# KiCad board coleco_original_main_only.kicad_pcb (continued)
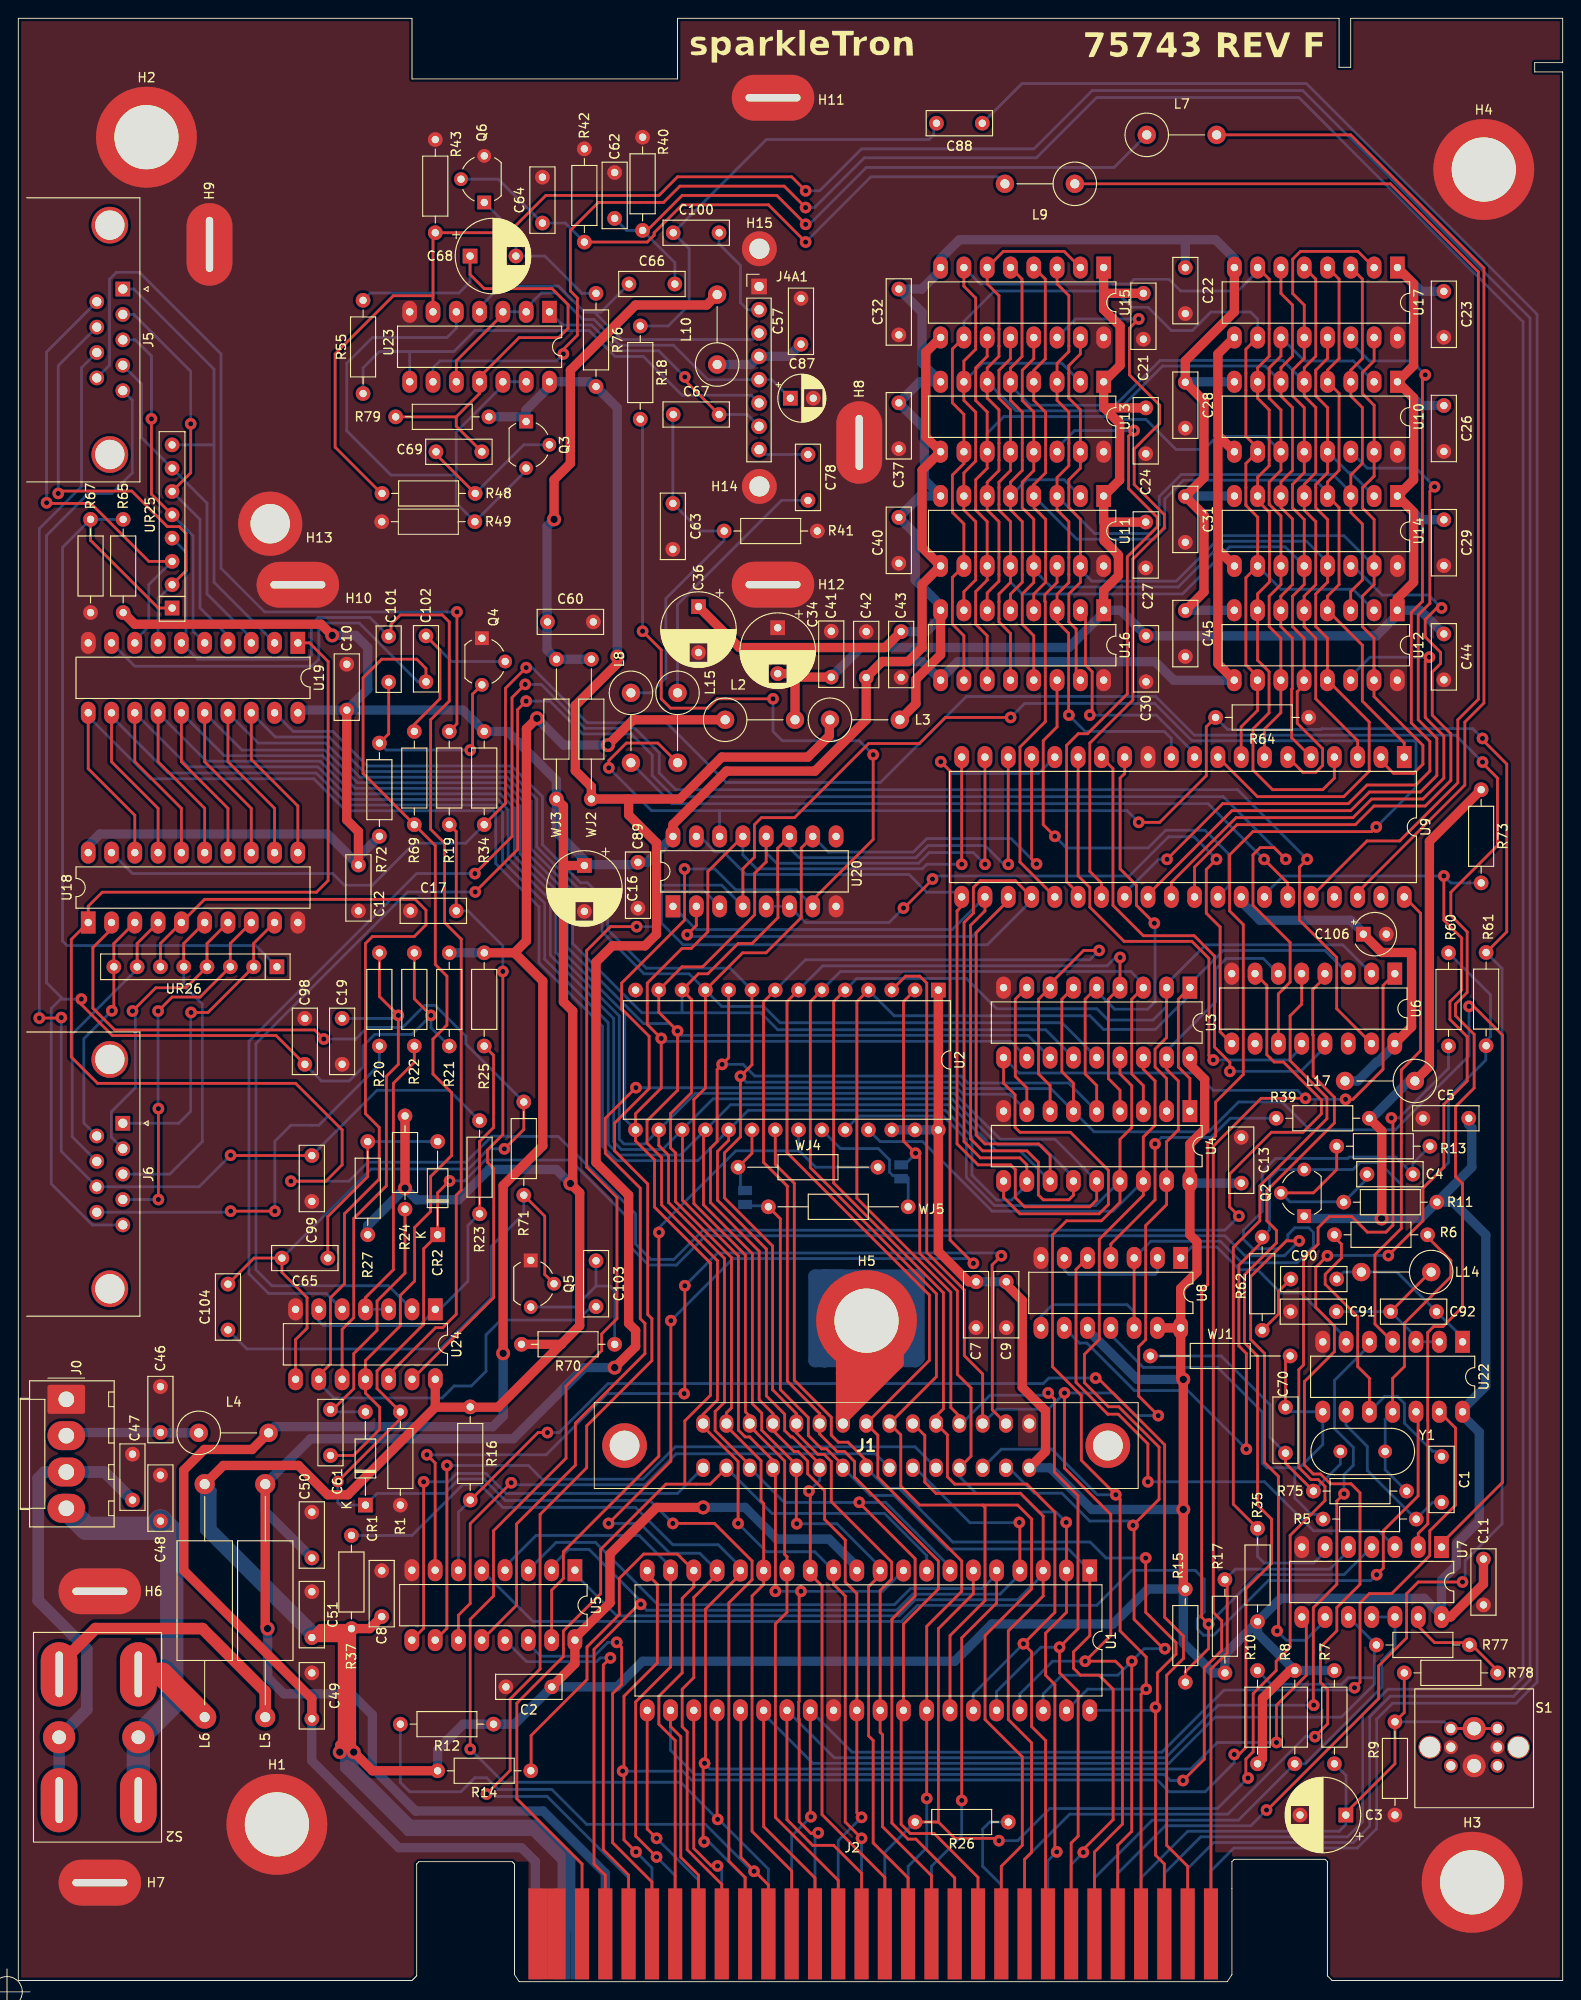
[diagram p0: board, top side]
## Routing (per net, layer and track width the routed paths; a pad name or vN(x,y) marks a point on that pad's centre or on a via; arc(x,y) is an arc through that point) (continued)
  Bottom w0.305: U10.13 145.06,164.46 145.31,164.46 U14.2 ; U14.13 142.76,154.71 140.48,157 131.47,157 126.49,152.02 112.62,152.02 110.73,153.91 U11.13
/video/AD2: length 144.9
  Top w0.305: U16.10 103.11,146.7 101.85,147.96 101.85,150.4 101.85,150.4 101.85,153.06 U11.10 103.11,158.89 101.85,160.15 101.85,161.01 101.85,161.01 101.85,162.85 101.85,162.85 101.85,164.21 103.11,165.47 U13.10 103.11,170.83 101.85,172.09 101.85,177.95 U15.10 ; U9.8 133.34,136.77 135.13,138.56 U12.10 135.13,142.26 133.86,143.53 133.86,153.02 U14.10 135.14,159.62 133.86,160.91 133.86,161.01 133.86,161.01 133.86,162.85 133.86,162.85 133.86,165.48 U10.10 135.14,167.16 133.86,168.45 133.86,173.46 133.86,173.46 133.86,175.3 133.86,175.3 133.86,177.93 U17.10
  Bottom w0.305: U17.10 135.14,181.21 134.37,181.99 130.05,181.99 128.02,179.96 125.73,179.96 123.19,182.5 121.41,182.5 119.63,184.28 106.43,184.28 103.11,180.96 U15.10 ; U14.10 137.69,151.76 145.54,151.76 U12.2
/video/AD3: length 139.9
  Top w0.305: U15.11 105.65,177.15 104.39,175.89 104.39,172.34 105.65,171.08 U13.11 105.65,164.96 104.39,163.7 104.39,162.85 104.39,162.85 104.39,160.4 105.65,159.15 U11.11 105.65,152.77 104.39,151.51 104.39,150.4 104.39,150.4 104.39,147.96 105.65,146.7 U16.11 ; U9.7 135.88,136.52 137.67,138.3 U12.11 137.67,146.43 136.4,147.7 136.4,151 137.68,152.29 137.68,159.75 136.4,161.03 136.4,163.45 137.68,164.73 137.68,171.31 136.4,172.59 136.4,173.46 136.4,173.46 136.4,175.3 136.4,175.3 136.4,175.89 137.68,177.18 137.68,179.21
  Bottom w0.305: U10.2 145.57,176.66 140.24,176.66 137.68,179.21 ; U13.11 105.65,168.77 107.48,170.59 120.31,170.59 120.62,170.28 122.96,170.28 126.24,167 129.29,167 130.7,168.42 136.03,168.42 137.68,166.76
/video/AD4: length 152.9
  Top w0.305: U16.12 108.19,146.95 106.93,148.21 106.93,148.56 106.93,148.56 106.93,150.4 106.93,150.4 106.93,151.26 108.19,152.51 U11.12 108.19,159.15 106.93,160.4 106.93,161.01 106.93,161.01 106.93,162.85 106.93,162.85 106.93,163.45 108.19,164.7 U13.12 108.19,171.34 106.93,172.6 106.93,175.64 108.19,176.9 U15.12 ; U9.6 140.08,131.82 141.49,131.82 142.22,132.56 142.22,134.4 139.46,137.16 139.46,140.61 140.21,141.36 U12.12 140.21,146.43 138.94,147.7 138.94,151 140.22,152.29 U14.12 140.22,159.37 138.94,160.65 138.94,161.01 138.94,161.01 138.94,162.85 138.94,162.85 138.94,163.19 140.22,164.48 U10.12 140.22,171.56 138.94,172.85 138.94,173.46 138.94,173.46 138.94,175.3 138.94,175.3 138.94,175.64 140.22,176.93 U17.12 140.22,182.74 138.97,184 138.97,187.75 139.81,188.59 146.08,188.59 U17.2
  Bottom w0.305: U14.12 138.14,156.39 132.08,156.39 126.94,151.26 109.47,151.26 108.19,152.54 U11.12
/video/AD5: length 146.2
  Top w0.305: 137.68,186.83 137.68,184.01 138.94,182.75 138.94,180.13 138.94,180.13 138.94,177.17 137.68,175.91 137.68,172.83 138.94,171.57 138.94,164.72 137.68,163.46 137.68,160.69 138.94,159.43 138.94,152.28 137.67,151 U12.6 137.67,147.7 138.93,146.44 138.93,140.94 138.85,140.86 138.85,135.59 U9.5 ; U15.2 114.05,188.59 107.41,188.59 U15.6 105.65,185.05 106.93,183.77 106.93,180.13 106.93,180.13 106.93,178.29 106.93,178.29 106.93,177.16 105.65,175.88 U13.6 105.65,172.61 106.93,171.32 106.93,167.68 106.93,167.68 106.93,165.84 106.93,165.84 106.93,164.72 105.65,163.43 U11.6 105.65,160.42 106.93,159.13 106.93,155.23 106.93,155.23 106.93,153.39 106.93,153.39 106.93,152.65 105.65,151.37 U16.6
  Bottom w0.305: U13.6 108.81,171.22 119.89,171.22 124.76,176.1 135.97,176.1 137.68,174.38
/video/AD6: length 161.5
  Top w0.305: U17.7 136.4,185.58 136.4,180.13 136.4,180.13 136.4,177.17 135.14,175.91 U10.7 135.14,172.58 136.4,171.32 136.4,165.84 136.4,165.84 136.4,165.23 135.14,163.97 U14.7 135.14,161.43 136.43,160.15 136.43,152.55 135.13,151.26 U12.7 135.13,144.04 136.39,142.78 136.39,138.29 134.63,136.53 134.63,132.06 136.77,129.92 142.24,129.92 143.5,131.19 U9.4 ; U16.7 103.11,151.5 104.39,152.78 104.39,153.39 104.39,153.39 104.39,155.23 104.39,155.23 104.39,159.13 103.11,160.42 U11.7 103.11,164.45 104.39,165.73 104.39,165.84 104.39,165.84 104.39,167.68 104.39,167.68 104.39,171.07 103.11,172.35 U13.7 103.11,176.64 104.39,177.93 104.39,178.29 104.39,178.29 104.39,180.13 104.39,180.13 104.39,183.51 103.11,184.8 U15.7
  Bottom w0.305: U13.7 105.13,176.4 113.79,176.4 U13.2 ; U15.7 104.9,185.04 121.16,185.04 121.67,185.55 125.48,185.55 126.75,184.28 132.99,184.28 135.14,186.43 U17.7
/video/AD7: length 144.8
  Top w0.305: U16.5 108.19,151.24 109.47,152.53 109.47,153.39 109.47,153.39 109.47,155.23 109.47,155.23 109.47,159.14 108.19,160.43 U11.5 108.19,163.43 109.47,164.72 109.47,165.84 109.47,165.84 109.47,167.68 109.47,167.68 109.47,171.07 108.19,172.35 U13.5 108.19,175.88 109.45,177.14 109.45,185.57 U15.5 ; 146.05,133.48 146.05,135.26 141.48,139.83 141.48,146.43 140.21,147.7 U12.5 140.21,151 141.48,152.28 141.48,159.13 140.22,160.39 U14.5 140.22,163.21 141.48,164.47 141.48,171.57 140.22,172.83 U10.5 140.22,175.91 141.48,177.17 141.48,185.57 U17.5
  Bottom w0.305: U13.5 108.19,173.98 110.34,171.83 119.63,171.83 124.51,176.71 137.9,176.71 U10.5 ; U11.2 114.04,163.7 109.96,163.7 U11.5
Net-(C1-Pad1): length 34.9
  Top w0.305: U22.10 147.33,65.77 146.05,67.05 146.05,72.48 142.51,76.02 142.51,77.1 144.27,78.87 144.27,80.39 143.26,81.41
  Bottom w0.305: C1.1 154.61,57.82 154.21,57.82 151.15,60.88 151.15,63.01 150.39,63.78 148.98,63.78 U22.10
Net-(C1-Pad2): length 18.4
  Bottom w0.305: U22.9 144.78,60.64 147.1,58.33 147.1,55.72 152.4,50.42 154.22,52.24 C1.2
Net-(C17-Pad2): length 68.3
  Top w0.305: R19.2 47.75,125.35 C17.2 ; v2(52.83,110.11) 52.83,92.33 51.16,90.65 51.16,89.31 51.84,88.62 51.84,74.57 U24.13
  Bottom w0.305: v2(52.83,110.11) 52.83,112.9 49.02,116.71 C17.2
Net-(C19-Pad2): length 56.1
  Top w0.305: R20.2 39.37,107.38 v2(41.44,105.32) 41.44,99.98 40.13,98.68 40.13,86.74 36.58,83.18 36.58,72.37 35.31,71.1 U24.10
  Bottom w0.305: 35.31,104.99 41.11,104.99 v2(41.44,105.32)
Net-(C61-Pad1): length 29
  Top w0.305: 34.04,62.1 36.58,64.64 36.58,68.45 39.12,70.99 39.12,74.19 42.16,77.23 R24.2
  Bottom w0.305: 34.33,62.1 CR1.2
Net-(C62-Pad1): length 72.8
  Top w0.305: R40.1 68.58,190.88 72.39,194.69 82.7,194.69 v2(85.85,191.54)
  Bottom w0.305: C62.1 66.33,190.88 R40.1 71.59,187.36 C66.2 ; L7.1 119.49,197.74 92.46,197.74 86.26,191.54 v2(85.85,191.54)
Net-(C63-Pad1): length 39.7
  Bottom w0.305: L8.1 68.98,140.48 70.61,142.11 70.61,150.75 76.96,157.1 R41.1 74.38,158.11 C63.1 71.37,170.77 C67.1
Net-(C64-Pad1): length 68.9
  Top w0.305: v2(85.85,189.61) 81.79,193.67 72.39,193.67 69.33,190.61 69.33,190.36 68.58,189.61 R42.1
  Bottom w0.305: Q6.2 52.32,196.47 53.85,194.94 53.89,194.94 C64.1 59.65,191.68 R42.1 ; L9.2 106.82,196.72 92.96,196.72 v2(85.85,189.61)
Net-(C65-Pad1): length 22.1
  Top w0.305: R27.2 38.1,87.76 33.74,83.4 C65.1
  Bottom w0.305: CR2.2 R27.2
Net-(C68-Pad2): length 17.7
  Bottom w0.305: R76.1 61.47,184.02 57.4,188.09 C68.2 54.26,190.48 Q6.1
Net-(C69-Pad1): length 16.6
  Top w0.305: R48.2 45.54,166.49 C69.1
  Bottom w0.305: 49.78,162.18 55.12,167.51 Q3.2
Net-(C70-Pad1): length 55.2
  Top w0.305: C70.1 138.18,67.69 WJ1.2
  Bottom w0.305: U8.11 119.13,70.48 122.67,66.94 130.8,66.94 135.64,62.1 135.64,56.51 136.14,56.01 139.19,56.01 ; 139.19,56.01 139.19,52.7 140.97,50.93 141.73,50.93 142.24,50.42 ; 139.19,56.01 139.7,56.01 142.25,58.55 U22.8 138.67,62.12 C70.1
Net-(C70-Pad2): length 32.2
  Top w0.305: R75.2 138.18,56.51 C70.2
  Bottom w0.305: R75.2 144.16,56.4 Y1.2 ; C70.2 136.5,59.29 136.5,62.86 131.16,68.2 WJ1.1
Net-(C78-Pad2): length 28.6
  Bottom w0.305: C78.2 83.23,161.46 71.88,150.11 L15.1
Net-(C90-Pad1): length 6.9
  Top w0.305: C90.1 137.41,75.23 137.41,72.77 R62.2
Net-(C90-Pad2): length 17.4
  Bottom w0.305: C90.2 144.53,77.34 L14.2 150.33,77.34 C92.2 157.49,70.19 U22.1
Net-(C91-Pad2): length 19.1
  Top w0.305: C92.1 153.96,77.34 L14.1
  Bottom w0.305: C91.2 C92.1 152.41,70.27 U22.3 U22.2
Net-(C98-Pad2): length 163.5
  Top w0.305: C98.2 28.11,103.12 10.26,103.12 6.87,106.51 v2(6.87,107.1) ; v2(44.99,105.32) 43.18,107.13 R22.1
  Bottom w0.305: R21.1 44.99,103.98 v2(44.99,105.32) 42.91,103.24 38.85,103.24 37.59,101.98 37.59,99.69 36.07,98.17 33.06,98.17 C98.2 ; J5.5 12.43,172.38 12.43,164.45 10.19,162.21 7.65,162.21 3.08,157.64 3.08,108.87 4.86,107.1 ; 11.39,82.48 8.07,82.48 3.59,86.96 3.59,106.08 4.61,107.1 v2(6.87,107.1)
Net-(C99-Pad1): length 145.1
  Top w0.305: v2(23.15,90.08) 23.18,90.04 C99.1 ; v2(2.29,105.03) 4.63,105.03 v2(4.68,105.08)
  Bottom w0.305: v2(23.15,90.08) 19.71,86.64 J6.8 4.68,90.51 v2(4.68,105.08) ; C99.1 39.12,97.15 46.99,97.15 R23.1 ; v2(2.29,105.03) 2.29,158.37 6.89,162.97 6.89,175.91 J5.8
Net-(C100-Pad1): length 49.1
  Bottom w0.305: C88.2 99.82,202.27 99.82,201.29 99.31,200.79 81.57,200.79 C100.1 73.15,188.89 73.15,182.75 70.87,180.47 R18.1
Net-(C101-Pad1): length 24.9
  Top w0.305: R72.1 40.39,136.02 C101.1 ; Q4.3 49.53,140.33 49.53,134.49 v2(49.28,134.24)
  Bottom w0.305: v2(49.28,134.24) 40.13,134.24 R72.1
Net-(C101-Pad2): length 137.3
  Top w0.305: C101.2 40.64,146.9 40.64,147.95 41.66,148.97 46.23,148.97 46.99,148.21 46.99,139.57 44.96,137.54 44.96,125.6 46.48,124.08 46.48,115.44 48.29,113.63 48.29,86.27 47.75,85.72 47.75,72.75 46.28,71.28 45.5,71.28 40.39,66.17 U24.12
  Bottom w0.305: C101.2 38.34,148.69 32.71,148.69 31.95,147.93 31.95,144.58 31.51,144.14 19.56,144.14 U19.6 18.29,146.43 18.29,155.82 UR25.4
Net-(C102-Pad1): length 22
  Top w0.305: C102.1 45.97,145.16 45.97,139.83 43.18,137.03 R69.2
  Bottom w0.305: Q4.2 47.24,143.89 C102.1
Net-(C102-Pad2): length 149.8
  Top w0.305: C61.2 36.55,57.35 39.4,60.2 39.4,62.6 37.85,64.15 U24.11 37.85,67.69 41.66,71.5 41.66,74.8 43.21,76.36 43.21,82.2 44.96,83.95 44.96,87.76 47.24,90.04 47.24,96.9 45.21,98.93 45.21,102.74 46.74,104.27 46.74,109.6 45.47,110.87 45.47,123.82 R69.1 37.59,131.7 37.59,142.11 39.62,144.14 43.43,144.14 44.45,143.13 C102.2
  Bottom w0.305: C102.2 43.57,141.69 37.17,148.08 33.14,148.08 32.77,147.7 32.77,144.14 32,143.38 12.7,143.38 U19.9
Net-(C103-Pad1): length 18.9
  Bottom w0.305: R70.1 65.02,75.31 64.52,75.82 62.99,75.82 ; 62.99,75.82 60.71,73.53 Q5.3 ; 62.99,75.82 C103.1
Net-(C103-Pad2): length 131.1
  Top w0.305: UR26.6 15.49,113.16 U18.5 20.31,117.97 43.27,117.97 44.45,116.79 44.45,115.19 43.18,113.92 38.61,113.92 37.85,113.16 37.85,94.61 39.36,93.1 39.36,87.49 35.56,83.69 35.56,76.07 34.04,74.55 34.04,67.33 32.77,66.06 U24.9
  Bottom w0.305: 62.48,73.57 61.02,72.11 52.61,72.11 51,70.51 51,66.53 49.4,64.93 47.53,64.93 46.23,63.63 34.4,63.63 32.77,65.26 U24.9
Net-(C104-Pad1): length 55.5
  Top w0.305: R71.2 57.4,83.44 57.4,77.08 Q5.2
  Bottom w0.305: R71.2 55.12,83.69 51.56,80.14 51.56,74.55 45.97,68.96 24.93,68.96 C104.1
Net-(C104-Pad2): length 122
  Top w0.305: U18.2 10.16,114.74 8.13,112.71 8.13,106.11 10.51,103.73 32.32,103.73 v2(33.31,102.74) ; C104.2 25.69,78.87 C65.2 28.74,77.3 31.48,74.56 31.48,71.23 30.23,69.98 U24.8 ; v2(53,90.77) 55.12,92.89 R71.1
  Bottom w0.305: v2(53,90.77) 51.28,90.77 49.07,88.57 38.44,88.57 C65.2 ; v2(33.31,102.74) 36.8,102.74 38.07,104.01 41.91,104.01 44.31,106.41 45.44,106.41 48.8,103.05 48.8,102.2 R71.1
Net-(J2-Pad40): length 15.4
  Bottom w0.305: J2.40 107.19,10.54 105.16,12.57 105.16,16.64 105.92,17.4 R26.1
Net-(J5-Pad1): length 50.7
  Bottom w0.305: UR25.8 21.33,167.5 21.34,167.51 ; 21.34,167.51 21.34,152.53 U19.2 ; 21.34,167.51 21.34,175.75 12.59,184.49 J5.1
Net-(J5-Pad2): length 42.9
  Top w0.305: UR25.6 18.8,164.45 v2(18.8,169.8)
  Bottom w0.305: J5.2 12.59,181.72 18.8,175.52 v2(18.8,169.8) ; U19.4 22.86,146.69 19.81,149.73 19.81,159.38 UR25.6
Net-(J5-Pad3): length 37.5
  Top w0.305: UR25.5 14.51,162.13 v2(14.51,170.34)
  Bottom w0.305: UR25.5 19.05,157.6 19.05,147.19 U19.5 ; v2(14.51,170.34) 14.51,177.2 12.76,178.95 J5.3
Net-(J5-Pad4): length 36.1
  Bottom w0.305: J5.4 13.42,174.16 13.42,168.31 UR25.7 20.57,161.15 20.57,151.26 25.4,146.43 U19.3
Net-(J5-Pad6): length 51.1
  Top w0.305: v2(3.08,161.2) 3.16,161.12 7.92,161.12 14.23,154.8 UR25.3
  Bottom w0.305: v2(3.08,161.2) 3.08,177.64 J5.6 ; UR25.3 14.22,152.26 14.22,147.7 12.7,146.18 U19.8
Net-(J5-Pad7): length 49
  Top w0.305: v2(4.35,162.21) 4.61,162.47 12.38,162.47 16.24,158.6 17.55,158.6 18.29,157.86 18.29,153.79 UR25.2
  Bottom w0.305: UR25.2 15.24,150.74 U19.7 ; v2(4.35,162.21) 4.35,176.14 J5.7
Net-(J5-Pad9): length 91.9
  Top w0.305: R19.1 47.82,137.11 v2(47.82,149.3)
  Bottom w0.305: J5.9 9.94,176.18 9.94,185.55 10.7,186.31 13.21,186.31 22.1,177.42 22.1,154.05 26.85,149.3 v2(47.82,149.3)
Net-(J6-Pad1): length 33.4
  Top w0.305: v2(18.83,105.64) 20.68,105.64 UR26.2 25.65,113.16 U18.9
  Bottom w0.305: v2(18.83,105.64) 18.8,105.6 18.8,94.87 17.49,93.56 J6.1
Net-(J6-Pad2): length 32.6
  Top w0.305: v2(12.45,105.79) 14.99,108.33 18.29,108.33 UR26.4 20.57,113.16 U18.7
  Bottom w0.305: v2(12.45,105.79) 12.76,105.48 12.76,97.44 10.14,94.82 10.14,92.05 J6.2
Net-(J6-Pad3): length 35.8
  Top w0.305: U18.6 18.03,113.16 UR26.5
  Bottom w0.305: J6.3 16.52,88.02 20.07,91.57 20.07,106.55 18.03,108.58 UR26.5
Net-(J6-Pad4): length 40.1
  Top w0.305: v2(15.24,105.79) 16.76,107.31 19.81,107.31 UR26.3 23.11,113.16 U18.8 ; v2(15.27,85.25) v2(15.27,95.16)
  Bottom w0.305: J6.4 v2(15.27,85.25) ; v2(15.24,105.79) 15.24,95.19 v2(15.27,95.16)
Net-(J6-Pad6): length 26.2
  Top w0.305: v2(10.19,105.82) 10.41,106.04 UR26.8 10.41,113.16 U18.3
  Bottom w0.305: J6.6 7.15,93.58 7.15,102.78 v2(10.19,105.82)
Net-(J6-Pad7): length 31
  Top w0.305: UR26.7 12.95,113.16 U18.4
  Bottom w0.305: UR26.7 12.95,110.36 5.88,103.28 5.88,92.08 J6.7
Net-(J6-Pad9): length 44
  Top w0.305: v2(23.15,83.98) v2(27.97,83.98)
  Bottom w0.305: J6.9 23.03,83.87 v2(23.15,83.98) ; v2(27.97,83.98) 27.97,91.6 29.72,93.34 32.77,93.34 39.37,99.95 R20.1
Net-(JP1-Pad1): length 7.7
  Top w0.305: WJ4.1 80,90.29 U2.20
  Bottom w0.305: 78.74,85.87 78.74,88.52 WJ4.1
Net-(JP2-Pad2): length 15.5
  Bottom w0.305: WJ5.2 97.03,87.61 96.77,87.87 95.36,87.87 95,88.23 95,89.59 93.78,90.8 89.66,90.8 U2.23
Net-(Q2-Pad3): length 105.8
  Top w0.305: v2(133.91,58.04) 133.91,68.47 133.1,69.28 133.1,78.1 135.64,80.64 R62.1
  Bottom w0.305: R62.1 136.44,81.95 136.44,87.54 137.41,88.52 145.54,88.52 146.29,89.27 148.42,89.27 151.2,86.49 153.16,86.49 155.96,89.28 155.96,96.39 160.02,100.46 160.02,102.49 160.53,103 160.53,107.57 R60.2 ; v2(133.91,58.04) 127.53,64.42 121.7,64.42 116.52,69.6 115.71,69.6 U8.9
Net-(Q3-Pad3): length 65.5
  Bottom w0.305: 47.75,164.21 47.75,161.16 R49.1 55.36,164.71 Q3.3 ; 47.75,164.21 40.64,164.21 35.81,169.04 35.81,176.4 38.61,179.2 46.74,179.2 47.76,180.22 U23.5 ; 47.75,164.21 47.75,168.9 52.84,173.99 U23.12 55.38,174.39
Net-(R6-Pad2): length 33
  Top w0.305: 153.42,81.41 156.21,78.61 156.21,76.83 151.15,71.77 151.15,67.05 149.87,65.77 U22.11
  Bottom w0.305: U22.11 149.04,61.29 149.04,55.81 R75.1
Net-(R22-Pad2): length 33.5
  Top w0.305: R22.2 43.18,100.2 40.89,97.92 40.89,77.6 37.85,74.55 U24.4
  Bottom w0.305: U24.4 U24.3
Net-(R23-Pad2): length 47
  Top w0.305: R25.1 51.82,100.96 51.82,93.09 50.29,91.57 R23.2
  Bottom w0.305: U24.6 32.77,72.01 33.27,71.5 43.69,71.5 U24.1 45.97,73.28 49.02,76.33 49.02,82.42 R23.2
Net-(R39-Pad1): length 28.8
  Top w0.305: v2(123.95,91.31) 123.95,85.22 119.13,80.4 U8.4
  Bottom w0.305: R39.1 132.15,94.11 130.07,92.02 124.66,92.02 v2(123.95,91.31)
Net-(R65-Pad2): length 89.5
  Top w0.305: UR25.1 15.25,149.72 7.87,157.1 7.87,159.38
  Bottom w0.305: 11.43,159.38 7.87,159.38 4.83,156.34 4.83,113.41 5.3,112.94 25.87,112.94 UR26.1
Net-(R77-Pad1): length 11.7
  Top w0.305: 161.29,33.91 158.24,36.96 154.43,36.96 152.65,38.73 U7.13
Net-(U7-Pad3): length 58.7
  Top w0.305: U8.5 115.33,77.62 115.33,65.32 118.81,61.85 119.94,61.85 123.17,58.62 v2(123.17,54.48)
  Bottom w0.305: U7.3 148.34,49.15 141.22,49.15 135.89,54.48 v2(123.17,54.48)
Net-(U8-Pad2): length 13.3
  Bottom w0.305: U8.2 124.21,77.35 123.95,77.09 114.55,77.09 114.05,77.59 U8.6
Net-(U10-Pad3): length 146.7
  Top w0.305: U15.3 113.27,185.05 114.55,183.77 114.55,180.13 114.55,180.13 114.55,178.29 114.55,178.29 114.55,177.67 113.27,176.39 U13.3 113.27,172.35 114.55,171.07 114.55,167.68 114.55,167.68 114.55,165.84 114.55,165.84 114.55,165.23 113.27,163.94 U11.3 113.27,160.42 114.55,159.13 114.55,155.23 114.55,155.23 114.55,153.39 114.55,153.39 114.55,152.5 113.27,151.21 U16.3 113.27,148.22 114.53,146.97 114.53,138.08 v2(114.55,138.05) ; U17.3 146.56,185.58 146.56,180.13 146.56,180.13 146.56,176.91 145.3,175.66 U10.3 145.3,172.83 146.56,171.57 146.56,165.48 145.3,164.23 U14.3 145.3,160.13 146.56,158.87 146.56,152.78 145.29,151.51 U12.3
  Bottom w0.305: U11.3 117.37,157.83 123.46,157.83 124.41,158.79 124.41,161.87 126.8,164.26 143.37,164.26 145.3,162.33 U14.3 ; v2(114.55,138.05) 116.33,136.27 124.97,136.27 125.72,135.51 U9.11
Net-(U10-Pad4): length 138.7
  Top w0.305: 110.74,160.65 112.01,159.38 112.01,155.23 112.01,155.23 112.01,153.39 112.01,153.39 112.01,152.53 110.73,151.24 U16.4 ; U9.1 151.12,135.01 146.56,139.57 146.56,145.67 U12.4 142.75,151 144.02,152.28 144.02,160.67 U14.4 142.76,163.46 144.02,164.72 144.02,173.12 U10.4 142.76,175.66 144.02,176.91 144.02,185.57 U17.4 ; U11.4 110.73,163.18 112.01,164.46 112.01,165.84 112.01,165.84 112.01,167.68 112.01,167.68 112.01,171.07 110.73,172.35 U13.4 110.73,175.63 111.99,176.88 111.99,185.57 U15.4
  Bottom w0.305: U11.4 115.43,157.22 123.85,157.22 125.02,158.39 125.02,161.62 127.05,163.65 141.44,163.65 142.76,162.33 U14.4
Net-(U10-Pad14): length 80.9
  Top w0.305: U9.29 123.19,118.49 132.33,127.63 145.29,127.63 147.32,129.67 152.88,129.67 154.69,131.47 154.69,135.51 152.65,137.54 152.65,148.97 153.92,150.24 153.92,162.43 v2(154.43,162.94)
  Bottom w0.305: v2(154.43,162.94) 152.4,164.97 147.09,164.97 U10.14
Net-(U10-Pad15): length 134.7
  Top w0.305: U9.2 148.59,133.08 149.96,131.7 152.16,131.7 153.16,132.7 153.16,134.75 147.83,140.08 U12.15 147.83,146.43 146.57,147.69 146.57,151.02 147.84,152.29 U14.15 147.84,159.37 146.59,160.63 146.59,162.85 147.84,164.11 U10.15 147.84,171.82 146.56,173.1 146.56,173.46 146.56,173.46 146.56,175.3 146.56,175.3 146.56,175.39 147.84,176.67 U17.15 ; U16.15 115.35,142.32 115.35,147.41 114.55,148.21 114.55,151.25 115.81,152.51 U11.15 115.81,159.4 114.55,160.66 114.55,162.85 114.55,162.85 114.55,163.7 115.81,164.96 U13.15 115.81,171.34 114.55,172.6 114.55,175.3 114.55,175.3 114.55,176.15 115.81,177.4 U15.15
  Bottom w0.305: U14.15 144.55,157.61 131.22,157.61 126.26,152.65 117.07,152.65 115.81,153.91 U11.15
Net-(U11-Pad14): length 39.4
  Top w0.305: U9.25 109.22,122.04 109.22,134.57 111.99,137.33 111.99,150.4 111.94,150.45 111.94,151.18 113.27,152.51 U11.14
Net-(U12-Pad14): length 60.1
  Top w0.305: v2(153.87,144.36) 153.42,143.91 153.42,137.79 155.45,135.76 155.45,131.19 153.16,128.9 147.57,128.9 145.54,126.87 132.79,126.87 125.72,119.81 U9.30
  Bottom w0.305: v2(153.87,144.36) 147.39,144.36 145.29,142.26 U12.14
Net-(U13-Pad14): length 67.2
  Top w0.305: U9.26 115.56,118.64 114.31,119.89 114.31,134.75 115.57,136.02 116.59,136.02 120.93,140.36 120.93,155.3 124.19,158.57 124.19,159.61 121.07,162.74 121.07,168.46 v2(121.67,169.06)
  Bottom w0.305: v2(121.67,169.06) 115.17,169.06 113.27,167.16 U13.14
Net-(U14-Pad14): length 68.6
  Top w0.305: 128.27,118.24 128.27,121.49 132.89,126.11 145.8,126.11 147.83,128.14 153.42,128.14 156.21,130.94 156.21,136.02 154.18,138.05 154.18,142.75 155.09,143.66 155.09,144.88 153.42,146.56 153.42,148.46 154.69,149.73 v2(155.19,149.73)
  Bottom w0.305: U14.14 145.54,154.31 148.71,151.14 153.79,151.14 v2(155.19,149.73)
Net-(U15-Pad14): length 80.9
  Top w0.305: 118.11,118.24 118.11,119.74 116.84,121.01 116.84,135 121.54,139.7 121.54,155.05 124.97,158.48 124.97,159.89 121.68,163.18 121.68,167.06 124.46,169.84 124.46,171.83 121.16,175.13 121.16,180.21 v2(122.17,181.23)
  Bottom w0.305: v2(122.17,181.23) 115.29,181.23 U15.14
Net-(U16-Pad14): length 44.7
  Top w0.305: U16.14 113.27,136.76 111.76,135.25 111.76,126.11 v2(113.03,124.84)
  Bottom w0.305: v2(113.03,124.84) 114.3,123.57 123.19,123.57 125.12,125.5 129.39,125.5 131.98,122.91 131.98,119.41 U9.32
Net-(U17-Pad14): length 94
  Top w0.305: v2(153.42,175.13) 153.11,174.83 153.11,150.44 151.89,149.22 151.89,137.2 153.92,135.17 153.92,131.95 152.4,130.43 147.07,130.43 145.03,128.4 131.32,128.4 v2(125.26,122.33)
  Bottom w0.305: v2(153.42,175.13) 151.89,176.66 147.32,176.66 145.3,178.67 U17.14 ; v2(125.26,122.33) 124.34,122.33 120.65,118.64 U9.28
Net-(U22-Pad6): length 23
  Bottom w0.305: U8.1 127.94,80.07 130.69,80.07 133.16,77.6 135.13,77.6 137.67,75.06 139.87,75.06 144.78,70.14 U22.6

## Copper pours and planes (outline as drawn; the poured copper is in the pictures)
GNDD on Top, Bottom: 169.16,-0.64 -0.51,-0.64 -0.51,214.5 169.16,214.5
